# Altium PCB DIO_MCX.PCBDOC (part 3 of 3) (continued)
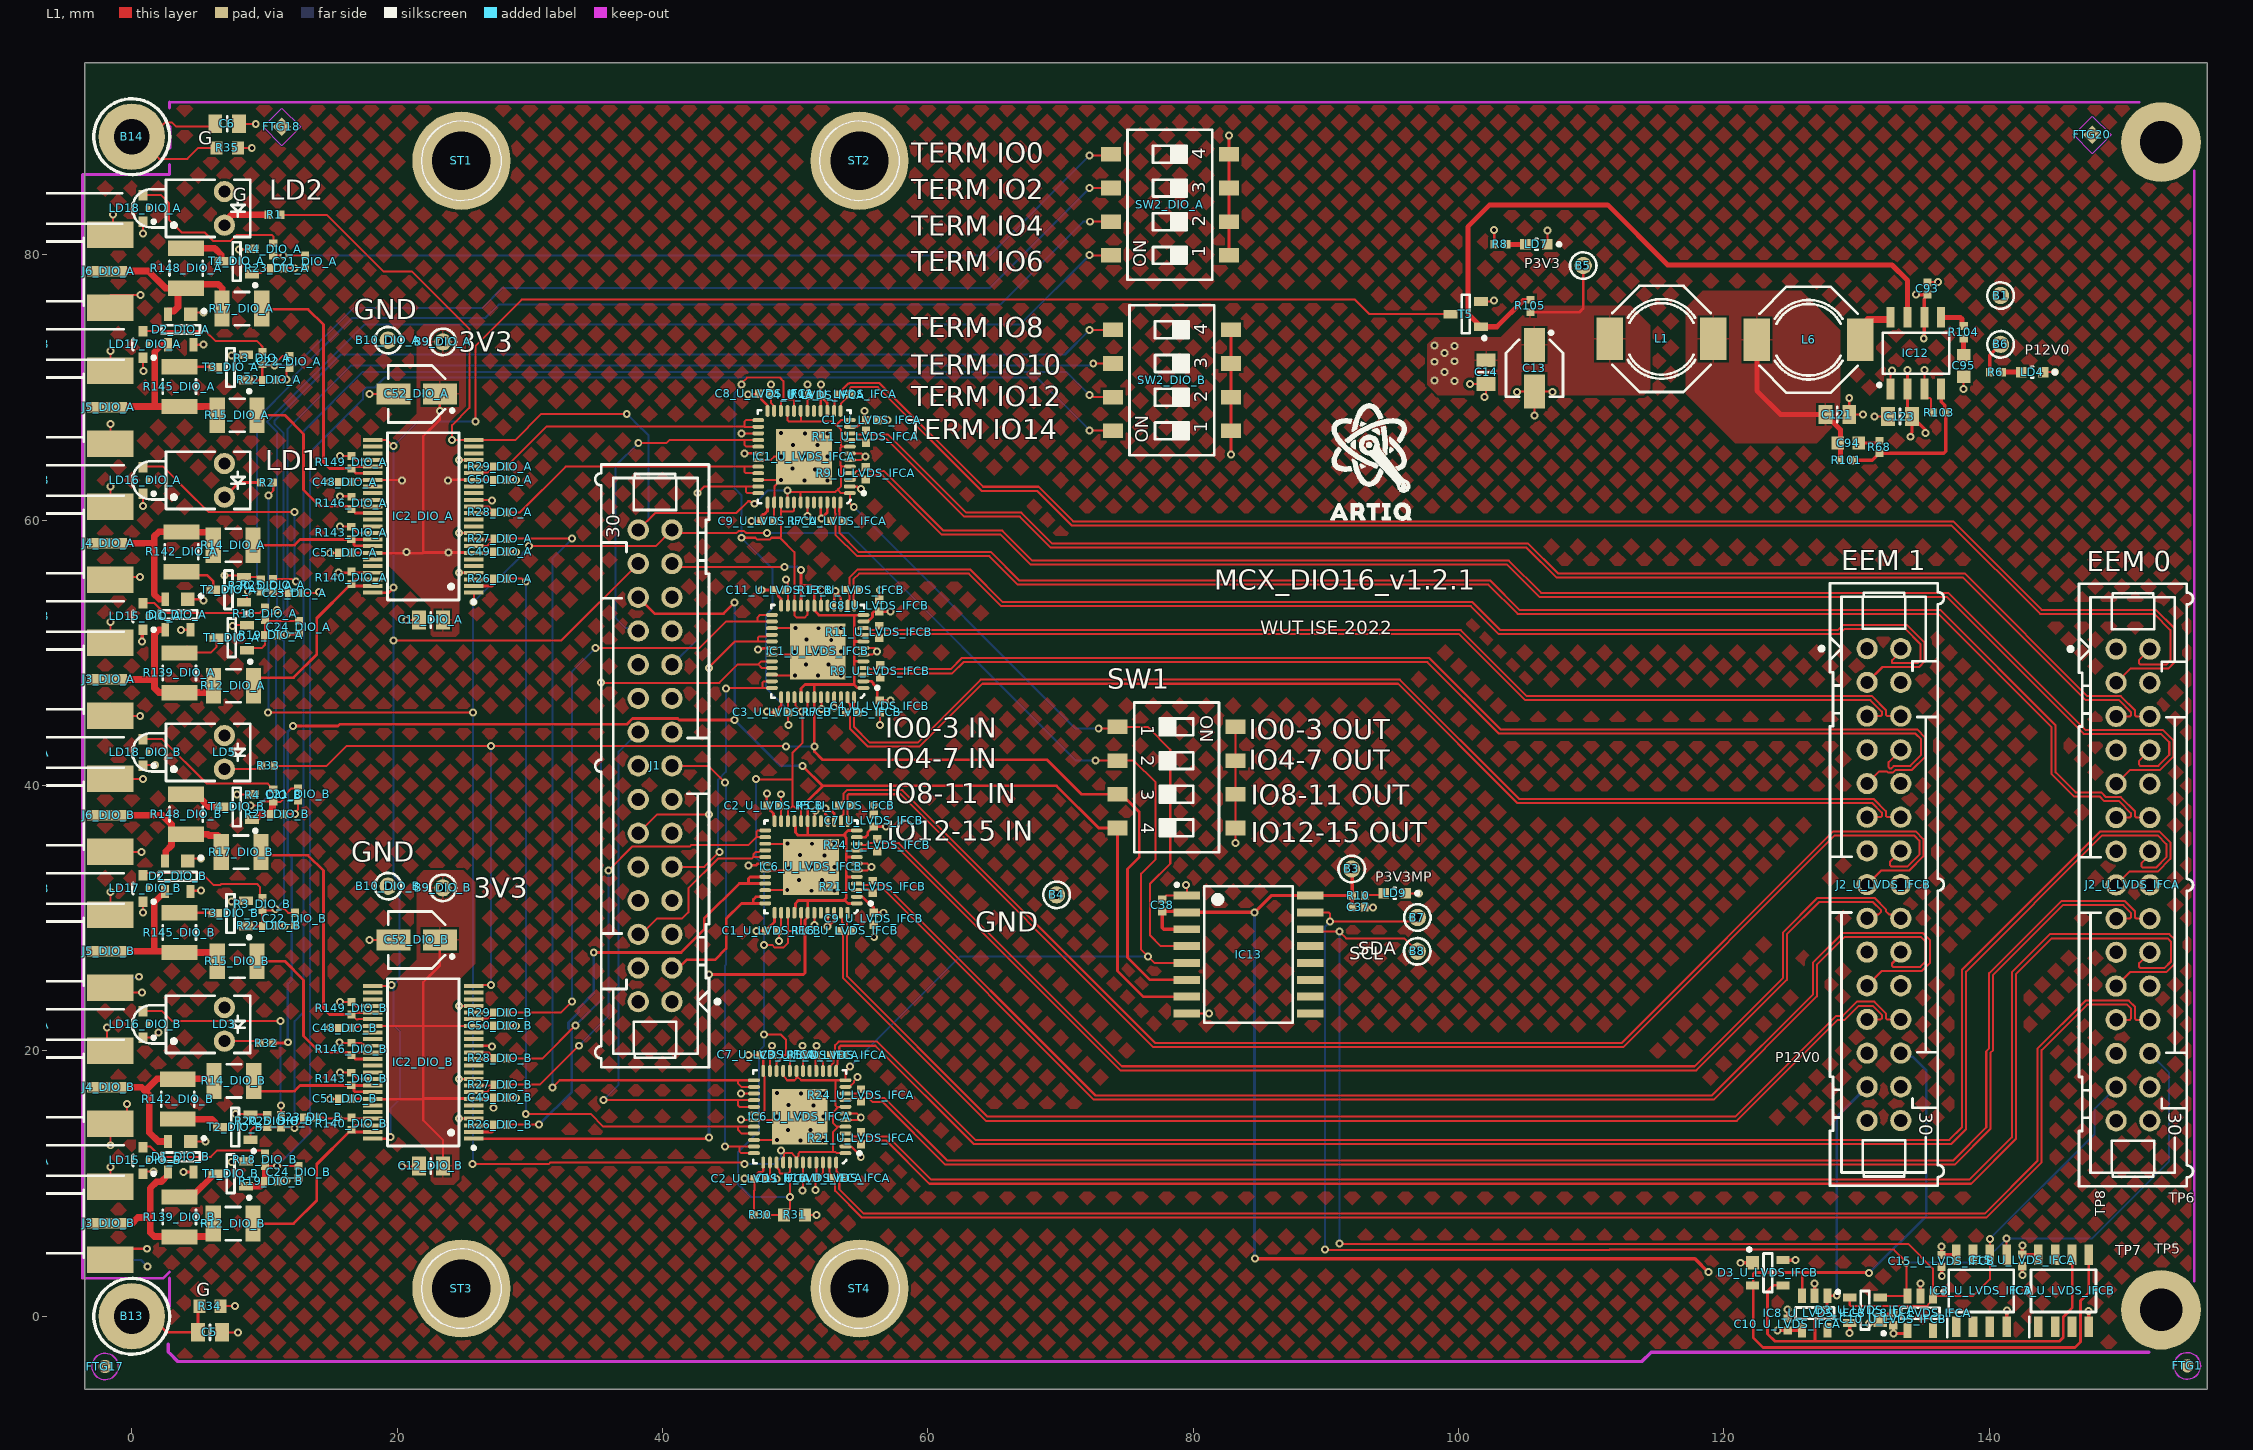
[diagram p0: L1 view]
## Nets (pads, with @x,y where several pads share a name; then routed paths per layer and width w, separated by ;. In a path a pad name is that pad's centre, name@x,y a point inside that pad or via, vN(x,y) a via of type N, cw(c..) or ccw(c..) an arc to the next point about the centre after c; other vN are vias at no path point) (continued)
NetIC2_DIO_B_29: IC2_DIO_B.29 IC2_DIO_B.30 R17_DIO_B.2 R149_DIO_B.2 | length 21.4
  L1 w0.152: R149_DIO_B.2@16.554,22.743 16.922,22.374 17.049,22.374 17.063,22.388 IC2_DIO_B.30@18.169,22.388
  L1 w0.203: R17_DIO_B.2@9.818,35.238 10.318,34.738 13.293,34.738 14.444,33.587 14.444,23.213 14.914,22.743 R149_DIO_B.2@16.554,22.743 16.7,22.888 IC2_DIO_B.29@18.169,22.888
NetIC2_DIO_B_35: IC2_DIO_B.35 IC2_DIO_B.36 R15_DIO_B.2 R146_DIO_B.2 | length 15.8
  L1 w0.203: R15_DIO_B.2@9.444,26.761 11.531,26.761 12.944,25.348 12.944,21.138 14.194,19.888 IC2_DIO_B.35@18.169,19.888 ; R146_DIO_B.2@16.554,19.668 16.574,19.668 16.854,19.388 IC2_DIO_B.36@18.169,19.388
NetIC2_DIO_B_40: IC2_DIO_B.40 IC2_DIO_B.41 R14_DIO_B.2 R143_DIO_B.2 | length 11.2
  L1 w0.203: R14_DIO_B.2@9.144,16.964 12.27,16.964 12.694,17.388 R143_DIO_B.2@16.594,17.388 ; R143_DIO_B.2@16.544,17.418 16.564,17.418 R143_DIO_B.2@16.594,17.388 ; IC2_DIO_B.41@18.169,16.888 18.13,16.927 16.804,16.927 16.752,16.978 16.752,17.23 R143_DIO_B.2@16.594,17.388 ; IC2_DIO_B.40@18.169,17.388 R143_DIO_B.2@16.594,17.388
NetIC2_DIO_B_46: IC2_DIO_B.46 IC2_DIO_B.47 R12_DIO_B.2 R140_DIO_B.2 | length 15.3
  L1 w0.203: R12_DIO_B.2@9.144,6.981 12.204,6.981 13.944,8.721 13.944,11.457 16.375,13.888 IC2_DIO_B.47@18.169,13.888 ; R140_DIO_B.2@16.554,14.047 16.574,14.047 16.762,14.235 16.762,14.255 16.895,14.388 IC2_DIO_B.46@18.169,14.388
NetIC12_4: IC12.4 R68.1 R101.1 R103.1 | length 12.1
  L1 w0.254: R101.1@129.714,64.513 131.184,64.513 R68.1@131.714,65.043 136.565,65.043 136.714,65.192 R103.1@136.714,68.113 136.632,68.195 136.632,68.655 136.374,68.913 IC12.4@136.374,69.888
NetIC12_5: IC12.5 R104.2 | length 2.2
  L1 w0.381: IC12.5@136.374,75.288 137.819,75.288 137.95,75.158 137.95,74.733 138.049,74.633 R104.2@138.069,74.633
NetIC12_8: IC12.8 L6.1 | length 3.6
  L1 w0.5: L6.1@130.282,73.597 130.282,74.561 130.844,75.122 132.514,75.122 132.564,75.172 IC12.8@132.564,75.288
NetLD1_1: LD1.1 R2.1 | length 3.2
  L1 w0.203: LD1.1@6.984,61.73 8.092,62.838 R2.1@9.724,62.838
NetLD2_1: LD2.1 R1.1 | length 3.9
  L1 w0.5: LD2.1@6.727,82.23 7.509,83.012 R1.1@10.288,83.012
NetLD3_1: LD3.1 R32.1 | length 2.7
  L1 w0.152: LD3.1@6.984,20.73 9.526,20.73 R32.1@9.662,20.594
NetLD4_2: LD4.2 R6.1 | length 1.4
  L1 w0.381: R6.1@140.971,71.153 LD4.2@142.419,71.153
NetLD5_1: LD5.1 R33.1 | length 2.9
  L1 w0.152: LD5.1@6.984,41.23 7.008,41.254 9.59,41.254 9.804,41.468 R33.1@9.804,41.488
NetLD7_2: LD7.2 R8.2 | length 1.4
  L1 w0.381: R8.2@103.626,80.788 LD7.2@105.044,80.788
NetLD9_2: LD9.2 R10.2 | length 1.5
  L1 w0.152: R10.2@92.914,31.762 94.258,31.762 LD9.2@94.369,31.873
NetR139_DIO_A_1: R139_DIO_A.1 T1_DIO_A.3 | length 3.3
  L1 w0.152: R139_DIO_A.1@4.182,50.487 4.457,50.212 4.673,50.212 4.868,50.017 5.965,50.017 6.377,50.429 T1_DIO_A.3@6.377,51.138
NetR139_DIO_B_1: R139_DIO_B.1 T1_DIO_B.3 | length 3.2
  L1 w0.5: R139_DIO_B.1@3.896,9.017 4.186,9.306 4.814,9.306 6.022,10.514 6.022,10.667 6.097,10.742 T1_DIO_B.3@6.297,10.742
NetR142_DIO_A_1: R142_DIO_A.1 T2_DIO_A.3 | length 3.6
  L1 w0.152: R142_DIO_A.1@3.499,55.864 R142_DIO_A.1@3.749,56.114
  L1 w0.203: R142_DIO_A.1@3.749,55.839 5.693,55.839 6.144,55.388 T2_DIO_A.3@6.144,54.757
NetR142_DIO_B_1: R142_DIO_B.1 T2_DIO_B.3 | length 3.4
  L1 w0.5: R142_DIO_B.1@3.46,14.86 6.028,14.86 T2_DIO_B.3@6.636,14.251
NetR145_DIO_A_1: R145_DIO_A.1 T3_DIO_A.3 | length 2.7
  L1 w0.203: R145_DIO_A.1@3.594,71.569 6.242,71.569 T3_DIO_A.3@6.294,71.517
NetR145_DIO_B_1: R145_DIO_B.1 T3_DIO_B.3 | length 2.7
  L1 w0.203: R145_DIO_B.1@3.594,30.419 6.242,30.419 T3_DIO_B.3@6.294,30.367
NetR148_DIO_A_1: R148_DIO_A.1 T4_DIO_A.3 | length 3.4
  L1 w0.5: R148_DIO_A.1@4.094,80.488 6.267,80.488 6.749,80.006 T4_DIO_A.3@6.749,79.502
NetR148_DIO_B_1: R148_DIO_B.1 T4_DIO_B.3 | length 3
  L1 w0.5: R148_DIO_B.1@4.094,39.338 4.869,39.338 5.819,38.388 T4_DIO_B.3@6.744,38.388
P3V3: B5.1 B9_DIO_A.1 B9_DIO_B.1 C1_U_LVDS_IFCA.2 C1_U_LVDS_IFCB.2 C2_U_LVDS_IFCA.2 C2_U_LVDS_IFCB.2 C3_U_LVDS_IFCA.2 C3_U_LVDS_IFCB.2 C4_U_LVDS_IFCA.2 C4_U_LVDS_IFCB.2 C7_U_LVDS_IFCA.2 C7_U_LVDS_IFCB.2 C8_U_LVDS_IFCA.2 C8_U_LVDS_IFCB.2 C9_U_LVDS_IFCA.2 C9_U_LVDS_IFCB.2 C11_U_LVDS_IFCA.2 C11_U_LVDS_IFCB.2 C12_DIO_A.2 C12_DIO_B.2 C13.1 C14.2 C48_DIO_A.2 C48_DIO_B.2 C49_DIO_A.2 C49_DIO_B.2 C50_DIO_A.2 C50_DIO_B.2 C51_DIO_A.2 C51_DIO_B.2 C52_DIO_A.1 C52_DIO_B.1 D1_DIO_A.4 D1_DIO_B.4 D2_DIO_A.4 D2_DIO_B.4 IC1_U_LVDS_IFCA.2 IC1_U_LVDS_IFCA.11 IC1_U_LVDS_IFCA.15 IC1_U_LVDS_IFCA.16 IC1_U_LVDS_IFCA.24 IC1_U_LVDS_IFCA.30 IC1_U_LVDS_IFCA.37 IC1_U_LVDS_IFCA.45 IC1_U_LVDS_IFCA.46 IC1_U_LVDS_IFCB.2 IC1_U_LVDS_IFCB.11 IC1_U_LVDS_IFCB.15 IC1_U_LVDS_IFCB.16 IC1_U_LVDS_IFCB.24 IC1_U_LVDS_IFCB.30 IC1_U_LVDS_IFCB.37 IC1_U_LVDS_IFCB.45 IC1_U_LVDS_IFCB.46 IC2_DIO_A.7 IC2_DIO_A.18 IC2_DIO_A.31 IC2_DIO_A.42 IC2_DIO_B.7 IC2_DIO_B.18 IC2_DIO_B.31 IC2_DIO_B.42 IC6_U_LVDS_IFCA.2 IC6_U_LVDS_IFCA.11 IC6_U_LVDS_IFCA.15 IC6_U_LVDS_IFCA.16 IC6_U_LVDS_IFCA.24 IC6_U_LVDS_IFCA.30 IC6_U_LVDS_IFCA.37 IC6_U_LVDS_IFCA.45 IC6_U_LVDS_IFCA.46 IC6_U_LVDS_IFCB.2 IC6_U_LVDS_IFCB.11 IC6_U_LVDS_IFCB.15 IC6_U_LVDS_IFCB.16 IC6_U_LVDS_IFCB.24 IC6_U_LVDS_IFCB.30 IC6_U_LVDS_IFCB.37 IC6_U_LVDS_IFCB.45 IC6_U_LVDS_IFCB.46 J1.1 J1.25 L1.2 LD1.2 LD2.2 LD3.2 LD5.2 R8.1 R30.2 R105.2 SW2_DIO_A.1 SW2_DIO_A.2 SW2_DIO_A.3 SW2_DIO_A.4 SW2_DIO_B.1 SW2_DIO_B.2 SW2_DIO_B.3 SW2_DIO_B.4 | length 169.7
  L1 w0.152: C48_DIO_B.2@16.544,21.719 16.614,21.789 17.044,21.789 17.143,21.888 IC2_DIO_B.31@18.169,21.888 21.969,21.888 ; C48_DIO_A.2@16.544,62.869 16.713,63.038 IC2_DIO_A.31@18.169,63.038 20.326,63.038 v1(20.369,62.995) ; 21.94,16.36 21.969,16.388 ; 21.94,57.51 21.969,57.538 21.969,66.338 22.469,66.838 ; 21.969,21.845 21.969,16.388 ; 22.469,25.688 21.969,25.188 21.969,21.888 ; C12_DIO_B.2@23.444,11.328 23.444,13.288 21.969,14.763 21.969,16.388 ; C50_DIO_B.2@27.319,21.888 IC2_DIO_B.18@25.769,21.888 21.969,21.888 ; v1(46.194,10.378) 46.22,10.352 C2_U_LVDS_IFCA.2@46.944,10.352 ; v1(46.484,19.699) C7_U_LVDS_IFCA.2@47.394,19.699 47.594,19.499 IC6_U_LVDS_IFCA.24@47.594,18.488 47.594,18.148 47.694,18.048 47.694,15.477 47.505,15.288 IC6_U_LVDS_IFCA.30@46.894,15.288 ; R30.2@46.895,7.638 46.895,9.439 46.944,9.488 C2_U_LVDS_IFCA.2@46.944,10.352 ; IC6_U_LVDS_IFCA.37@47.594,11.588 47.594,10.954 47.505,10.865 47.254,10.865 47.162,10.773 47.162,10.57 C2_U_LVDS_IFCA.2@46.944,10.352 ; v1(51.544,9.513) C11_U_LVDS_IFCA.2@51.544,10.413 C11_U_LVDS_IFCA.2@51.594,10.463 ; IC6_U_LVDS_IFCA.45@51.594,11.888 IC6_U_LVDS_IFCA.45@51.594,11.588 C11_U_LVDS_IFCA.2@51.594,10.463 ; IC6_U_LVDS_IFCA.16@51.594,18.488 51.544,18.538 C3_U_LVDS_IFCA.2@51.544,19.688 ; v1(51.619,20.388) 51.544,20.313 C3_U_LVDS_IFCA.2@51.544,19.688 ; IC6_U_LVDS_IFCA.46@52.094,11.588 52.094,10.778 52.005,10.688 51.819,10.688 C11_U_LVDS_IFCA.2@51.594,10.463 ; IC6_U_LVDS_IFCA.15@52.094,18.488 52.094,19.148 52.005,19.237 51.995,19.237 C3_U_LVDS_IFCA.2@51.544,19.688 ; IC6_U_LVDS_IFCA.2@53.368,12.816 53.766,12.816 IC6_U_LVDS_IFCA.2@53.794,12.788 53.822,12.76 54.252,12.76 54.944,12.068 v1(54.944,11.988) ; IC6_U_LVDS_IFCA.11@53.794,17.288 54.094,17.288 54.447,17.642 54.447,17.735 54.694,17.982 v1(54.694,18.048)
  L1 w0.203: v1(3.694,51.738) 3.696,51.74 D1_DIO_A.4@4.422,51.74 ; v1(3.896,10.867) D1_DIO_B.4@4.644,10.867 ; D2_DIO_B.4@4.41,32.013 4.478,32.082 v1(5.222,32.082) ; D2_DIO_A.4@4.644,73.217 5.407,73.217 v1(5.419,73.229) ; C51_DIO_B.2@16.534,16.388 IC2_DIO_B.42@18.169,16.388 18.198,16.36 21.94,16.36 ; C51_DIO_A.2@16.534,57.538 IC2_DIO_A.42@18.169,57.538 18.198,57.51 21.94,57.51 ; 21.969,16.388 21.998,16.417 25.74,16.417 IC2_DIO_B.7@25.769,16.388 27.243,16.388 C49_DIO_B.2@27.319,16.464 27.319,15.764 v1(27.269,15.714) ; 21.969,57.538 21.998,57.567 v1(23.869,57.567) 25.74,57.567 IC2_DIO_A.7@25.769,57.538 27.243,57.538 C49_DIO_A.2@27.319,57.614 ; 22.469,25.688 23.219,26.438 C52_DIO_B.1@23.219,28.361 ; 22.469,66.838 23.219,67.588 v1(23.219,68.244) C52_DIO_A.1@23.219,69.511 C52_DIO_A.1@23.369,69.661 ; v1(23.847,62.995) 23.89,63.038 IC2_DIO_A.18@25.769,63.038 C50_DIO_A.2@27.319,63.038 ; v1(46.194,65.038) IC1_U_LVDS_IFCA.30@47.219,65.038 ; v1(46.444,69.488) 47.227,69.488 C8_U_LVDS_IFCA.2@47.269,69.53 47.45,69.349 47.45,69.11 47.919,68.642 IC1_U_LVDS_IFCA.24@47.919,68.238 ; v1(46.484,33.988) 47.051,33.988 47.158,34.095 47.725,34.095 IC6_U_LVDS_IFCB.30@47.744,34.113 ; v1(46.694,59.937) C9_U_LVDS_IFCA.2@47.469,59.937 47.469,60.328 47.588,60.447 47.69,60.447 47.919,60.676 IC1_U_LVDS_IFCA.37@47.919,61.338 ; v1(47.082,29.053) 47.779,29.053 C1_U_LVDS_IFCB.2@47.794,29.038 48.002,29.247 48.002,29.29 48.444,29.731 IC6_U_LVDS_IFCB.37@48.444,30.413 ; v1(47.194,50.238) 47.27,50.314 47.537,50.314 47.582,50.358 IC1_U_LVDS_IFCB.30@48.244,50.358 ; v1(47.469,54.725) 47.475,54.731 C11_U_LVDS_IFCB.2@48.369,54.731 48.73,54.37 48.73,54.265 48.925,54.07 48.925,53.577 IC1_U_LVDS_IFCB.24@48.944,53.558 ; v1(47.869,39.393) 47.869,38.538 C2_U_LVDS_IFCB.2@47.919,38.488 48.127,38.28 48.127,38.123 48.36,37.891 48.36,37.724 48.444,37.639 IC6_U_LVDS_IFCB.24@48.444,37.313 ; v1(47.869,45.576) 47.932,45.513 C3_U_LVDS_IFCB.2@48.594,45.513 48.802,45.722 48.802,45.877 48.944,46.018 IC1_U_LVDS_IFCB.37@48.944,46.658 ; IC1_U_LVDS_IFCA.45@51.919,61.338 51.919,60.188 v1(51.969,60.138) 52.419,60.588 IC1_U_LVDS_IFCA.46@52.419,61.338 ; IC1_U_LVDS_IFCA.16@51.919,68.238 51.919,70.213 v1(51.944,70.238) ; C4_U_LVDS_IFCA.2@51.969,69.418 52.177,69.21 52.177,69.086 52.296,68.967 52.3,68.967 52.419,68.848 IC1_U_LVDS_IFCA.15@52.419,68.238 ; IC6_U_LVDS_IFCB.45@52.444,30.413 v1(52.444,29.361) 52.479,29.361 52.944,29.826 IC6_U_LVDS_IFCB.46@52.944,30.413 ; IC6_U_LVDS_IFCB.16@52.444,37.313 52.444,37.639 52.396,37.688 52.396,37.712 52.278,37.829 v1(52.278,38.28) 52.332,38.28 52.595,38.017 52.825,38.017 52.944,37.898 IC6_U_LVDS_IFCB.15@52.944,37.313 ; IC1_U_LVDS_IFCB.45@52.944,46.508 v1(52.944,45.882) 53.255,45.882 53.425,46.053 53.425,46.64 IC1_U_LVDS_IFCB.46@53.444,46.658 ; IC1_U_LVDS_IFCB.16@52.944,53.558 52.944,54.339 52.951,54.346 52.951,54.58 v1(53.027,54.656) 53.25,54.433 53.25,54.326 53.444,54.133 IC1_U_LVDS_IFCB.15@53.444,53.558 ; IC1_U_LVDS_IFCA.2@54.119,62.538 54.138,62.52 54.668,62.52 54.837,62.351 v1(54.944,62.351) ; IC1_U_LVDS_IFCA.11@54.119,67.038 54.671,67.038 54.805,67.172 54.805,67.196 54.938,67.33 55.121,67.33 C1_U_LVDS_IFCA.2@55.329,67.538 55.226,67.641 v1(55.226,68.238) ; IC6_U_LVDS_IFCB.11@54.644,36.113 55.306,36.113 55.468,36.274 55.468,36.462 C7_U_LVDS_IFCB.2@55.919,36.913 56.842,36.913 v1(56.844,36.911) ; IC6_U_LVDS_IFCB.2@54.694,31.613 IC6_U_LVDS_IFCB.2@54.644,31.613 54.663,31.595 55.077,31.595 55.749,30.923 55.8,30.923 55.919,30.804 C9_U_LVDS_IFCB.2@55.919,30.413 v1(56.654,30.413) ; IC1_U_LVDS_IFCB.2@55.144,47.858 55.761,47.858 55.88,47.739 55.88,47.672 56.194,47.358 56.194,46.598 C4_U_LVDS_IFCB.2@56.379,46.413 v1(57.194,46.413) ; IC1_U_LVDS_IFCB.11@55.144,52.358 55.47,52.358 55.592,52.48 55.601,52.48 55.823,52.701 55.823,52.989 55.942,53.108 C8_U_LVDS_IFCB.2@56.344,53.108 v1(57.194,53.108) ; SW2_DIO_A.1@82.694,79.953 v1(82.694,88.988) ; v1(82.844,64.962) SW2_DIO_B.4@82.844,74.348 ; v1(102.656,81.858) 102.686,81.828 R8.1@102.686,80.788 ; R105.2@105.419,75.681 109.132,75.681 109.394,75.942 B5.1@109.394,79.188
  other v1: 20.694,57.614 99.694,70.488 98.194,70.538 98.944,71.153 98.194,71.94 99.694,71.978 98.944,72.603 99.694,73.128 98.194,73.163
P3V3_MP: B3.1 C10_U_LVDS_IFCA.2 C10_U_LVDS_IFCB.2 C15_U_LVDS_IFCA.2 C15_U_LVDS_IFCB.2 C37.2 C38.2 D3_U_LVDS_IFCA.4 D3_U_LVDS_IFCB.4 IC3_U_LVDS_IFCA.8 IC3_U_LVDS_IFCB.8 IC8_U_LVDS_IFCA.4 IC8_U_LVDS_IFCB.4 IC13.2 IC13.3 IC13.16 J2_U_LVDS_IFCA.30 J2_U_LVDS_IFCB.30 R10.1 | length 90.4
  L1 w0.254: IC13.3@79.519,29.168 77.789,29.168 77.669,29.288 C38.2@77.669,30.513 79.444,30.513 IC13.2@79.519,30.438 v1(84.62,30.438) 85.89,31.708 IC13.16@88.819,31.708 R10.1@91.97,31.708 ; v1(84.65,4.34) 117.819,4.34 v1(118.823,3.335) ; B3.1@91.944,33.713 91.974,33.683 91.974,30.85 C37.2@92.006,30.818 ; v1(124.054,-1.067) v1(124.054,-1.067) 124.805,-1.065 C10_U_LVDS_IFCA.2@124.807,-1.063 125.889,-1.063 IC8_U_LVDS_IFCB.4@125.89,-1.065 ; D3_U_LVDS_IFCB.4@124.465,4.223 D3_U_LVDS_IFCB.4@124.456,4.232 v1(125.397,4.232) ; v1(129.478,-1.246) 129.482,-1.242 D3_U_LVDS_IFCA.4@129.482,-0.747 ; C10_U_LVDS_IFCB.2@132.766,-0.679 132.781,-0.694 132.781,-1.287 v1(132.796,-1.302) 133.675,-1.302 133.848,-1.129 IC8_U_LVDS_IFCA.4@133.848,-1.071 ; v1(136.398,5.273) 136.402,5.27 C15_U_LVDS_IFCB.2@136.402,4.613 136.418,4.629 IC3_U_LVDS_IFCA.8@137.497,4.629 ; v1(142.485,5.325) 142.491,5.319 C15_U_LVDS_IFCA.2@142.491,4.665 142.527,4.629 IC3_U_LVDS_IFCB.8@143.69,4.629
  L4 w0.254: v1(84.62,30.438) 84.62,4.369 v1(84.65,4.34)
P12V0: B6.1 C93.2 C123.2 IC12.2 IC12.6 J2_U_LVDS_IFCA.28 J2_U_LVDS_IFCA.29 J2_U_LVDS_IFCB.28 J2_U_LVDS_IFCB.29 R6.2 | length 13.6
  L1 w0.254: v1(133.834,71.323) IC12.2@133.834,69.888 133.834,68.148 C123.2@134.169,67.813 ; v1(134.047,66.288) 134.113,66.354 134.113,66.554 134.169,66.61 C123.2@134.169,67.813 ; v1(134.469,77.01) 134.476,77.003 C93.2@135.334,77.003 135.151,76.82 135.151,76.718 135.104,76.671 IC12.6@135.104,75.288 135.104,73.748 v1(135.059,73.703) ; v1(135.207,66.563) 135.141,66.629 135.141,66.841 C123.2@134.169,67.813 ; R6.2@140.031,71.153 140.031,72.433 B6.1@140.851,73.253
PG: IC12.7 R105.1 T5.1 | length 51.5
  L1 w0.381: R105.1@105.419,76.621 105.341,76.542 104.851,76.542 102.887,74.578 T5.1@101.694,74.578 100.694,75.578 100.694,82.112 102.345,83.763 111.237,83.763 115.762,79.238 132.674,79.238 133.834,78.078 IC12.7@133.834,75.288
TERM_IOA_DIO_A: C24_DIO_A.2 R18_DIO_A.1 R19_DIO_A.2 SW2_DIO_A.8 T1_DIO_A.1 | length 90.4
  L1 w0.152: T1_DIO_A.1@8.677,50.188 8.847,50.358 9.804,50.358 10.044,50.598 R18_DIO_A.1@10.044,52.478 ; v1@10.744,53.037 10.655,52.948 10.514,52.948 R18_DIO_A.1@10.044,52.478 ; v1@10.823,53.238 v1(10.944,53.238) ; C24_DIO_A.2@12.594,52.396 10.125,52.396 R18_DIO_A.1@10.044,52.478 ; v1(72.194,79.988) 72.229,79.953 SW2_DIO_A.8@73.794,79.953
  L4 w0.152: v1(10.944,53.238) 10.944,66.661 10.194,67.411 17.546,74.763 66.969,74.763 v1(72.194,79.988)
TERM_IOA_DIO_B: C24_DIO_B.2 R18_DIO_B.1 R19_DIO_B.2 SW2_DIO_B.8 T1_DIO_B.1 | length 125
  L1 w0.152: R18_DIO_B.1@10.044,11.328 v1(10.956,11.328) 10.967,11.317 C24_DIO_B.2@12.575,11.317 ; v1(72.194,66.772) 73.901,66.772 SW2_DIO_B.8@73.944,66.728
  L1 w0.5: T1_DIO_B.1@8.597,9.792 9.662,9.792 R19_DIO_B.2@10.049,10.179 10.049,11.323 R18_DIO_B.1@10.044,11.328
  L4 w0.152: v1(10.956,11.328) 13.444,13.816 13.444,65.138 17.416,69.11 17.416,69.72 17.711,70.015 18.32,70.015 19.047,70.741 68.224,70.741 v1(72.194,66.772)
TERM_IOB_DIO_A: C23_DIO_A.2 R20_DIO_A.2 R25_DIO_A.1 SW2_DIO_A.7 T2_DIO_A.1 | length 88.4
  L1 w0.152: T2_DIO_A.1@8.444,53.807 8.677,54.04 8.677,54.538 v1(8.749,54.61) 8.821,54.683 R25_DIO_A.1@10.709,54.683 ; R25_DIO_A.1@10.764,54.737 R25_DIO_A.1@10.709,54.683 ; C23_DIO_A.2@11.846,54.502 10.781,54.502 R25_DIO_A.1@10.655,54.628 R25_DIO_A.1@10.709,54.683 ; v1(72.229,82.493) SW2_DIO_A.7@73.794,82.493
  L4 w0.152: v1(8.749,54.61) 9.444,55.305 9.444,67.661 12.171,70.389 12.171,70.796 16.613,75.238 26.653,75.238 27.653,76.238 65.444,76.238 71.699,82.493 v1(72.229,82.493)
TERM_IOB_DIO_B: C23_DIO_B.2 R20_DIO_B.2 R25_DIO_B.1 SW2_DIO_B.7 T2_DIO_B.1 | length 121.6
  L1 w0.152: T2_DIO_B.1@8.936,13.301 8.936,13.979 9.185,14.228 R25_DIO_B.1@11.254,14.228 12.245,14.228 v1(12.27,14.203) 12.994,14.927 C23_DIO_B.2@12.994,14.987 ; v1(72.194,69.418) 72.315,69.418 72.465,69.268 SW2_DIO_B.7@73.944,69.268
  L4 w0.152: v1(12.27,14.203) 12.27,22.236 12.944,22.909 12.944,66.711 17.406,71.173 70.439,71.173 v1(72.194,69.418)
TERM_IOC_DIO_A: C22_DIO_A.2 R3_DIO_A.1 R22_DIO_A.2 SW2_DIO_A.6 T3_DIO_A.1 | length 73.5
  L1 w0.152: R3_DIO_A.1@9.844,71.749 9.932,71.661 v1(10.744,71.661) 10.744,71.755 11.369,72.38 C22_DIO_A.2@11.879,72.38 ; v1(72.194,85.033) SW2_DIO_A.6@73.794,85.033
  L1 w0.203: T3_DIO_A.1@8.594,70.567 R22_DIO_A.2@9.874,70.567 9.844,70.597 R3_DIO_A.1@9.844,71.749
  L4 w0.152: v1(10.744,71.661) 12.367,71.661 16.694,75.988 26.403,75.988 27.903,77.488 64.649,77.488 v1(72.194,85.033)
TERM_IOC_DIO_B: C22_DIO_B.2 R3_DIO_B.1 R22_DIO_B.2 SW2_DIO_B.6 T3_DIO_B.1 | length 106.1
  L1 w0.152: R3_DIO_B.1@9.844,30.599 10.754,30.599 v1(10.836,30.681) 11.514,30.681 11.786,30.41 C22_DIO_B.2@12.296,30.41 ; v1(72.465,71.808) SW2_DIO_B.6@73.944,71.808
  L1 w0.203: T3_DIO_B.1@8.594,29.417 R22_DIO_B.2@9.874,29.417 9.844,29.447 R3_DIO_B.1@9.844,30.599
  L4 w0.152: v1(10.836,30.681) 11.462,31.307 11.462,50.886 11.165,51.184 11.165,52.352 11.727,52.914 11.727,66.846 16.542,71.661 72.197,71.661 72.344,71.808 v1(72.465,71.808)
TERM_IOD_DIO_A: C21_DIO_A.2 R4_DIO_A.1 R23_DIO_A.2 SW2_DIO_A.5 T4_DIO_A.1 | length 70.6
  L1 w0.152: T4_DIO_A.1@9.049,78.552 9.115,78.618 9.714,78.618 10.084,78.988 R23_DIO_A.2@10.499,78.988 10.668,79.157 R4_DIO_A.1@10.668,79.938 v1(11.439,79.938) C21_DIO_A.2@13.066,79.938 ; v1(72.194,87.488) 73.709,87.488 SW2_DIO_A.5@73.794,87.573
  L4 w0.152: v1(11.439,79.938) 64.644,79.938 v1(72.194,87.488)
TERM_IOD_DIO_B: C21_DIO_B.2 R4_DIO_B.1 R23_DIO_B.2 SW2_DIO_B.5 T4_DIO_B.1 | length 103.4
  L1 w0.152: v1(8.944,38.488) 9.544,38.488 9.844,38.788 10.648,38.788 R4_DIO_B.1@10.668,38.788 ; R4_DIO_B.1@10.608,38.748 11.178,38.748 11.602,39.172 11.602,39.354 12.026,39.778 C21_DIO_B.2@12.536,39.778 ; v1(72.194,74.348) SW2_DIO_B.5@73.944,74.348
  L1 w0.5: T4_DIO_B.1@9.344,37.438 9.744,37.838 R23_DIO_B.2@10.499,37.838 10.539,37.878 10.539,38.122 10.608,38.191 10.608,38.748 R4_DIO_B.1@10.648,38.788
  L4 w0.152: v1(8.944,38.488) 9.544,38.488 10.885,39.83 10.885,52.468 11.447,53.03 11.447,66.553 10.744,67.257 10.744,67.473 15.759,72.488 70.334,72.488 v1(72.194,74.348)
pads on no net: FTG1.FTG2 FTG2.FTG2 FTG17.FTG2 FTG18.1 FTG19.1 FTG20.1 IC1_U_LVDS_IFCA.17 IC1_U_LVDS_IFCA.44 IC1_U_LVDS_IFCB.17 IC1_U_LVDS_IFCB.44 IC2_DIO_A.5 IC2_DIO_A.6 IC2_DIO_A.11 IC2_DIO_A.12 IC2_DIO_A.16 IC2_DIO_A.17 IC2_DIO_A.22 IC2_DIO_A.23 IC2_DIO_A.26 IC2_DIO_A.27 IC2_DIO_A.32 IC2_DIO_A.33 IC2_DIO_A.37 IC2_DIO_A.38 IC2_DIO_A.43 IC2_DIO_A.44 IC2_DIO_B.5 IC2_DIO_B.6 IC2_DIO_B.11 IC2_DIO_B.12 IC2_DIO_B.16 IC2_DIO_B.17 IC2_DIO_B.22 IC2_DIO_B.23 IC2_DIO_B.26 IC2_DIO_B.27 IC2_DIO_B.32 IC2_DIO_B.33 IC2_DIO_B.37 IC2_DIO_B.38 IC2_DIO_B.43 IC2_DIO_B.44 IC3_U_LVDS_IFCA.1 IC3_U_LVDS_IFCA.2 IC3_U_LVDS_IFCA.3 IC3_U_LVDS_IFCA.7 IC3_U_LVDS_IFCB.1 IC3_U_LVDS_IFCB.2 IC3_U_LVDS_IFCB.3 IC3_U_LVDS_IFCB.7 IC6_U_LVDS_IFCA.17 IC6_U_LVDS_IFCA.44 IC6_U_LVDS_IFCB.17 IC6_U_LVDS_IFCB.44 IC8_U_LVDS_IFCA.5 IC8_U_LVDS_IFCB.5 IC13.9 IC13.10 IC13.11 IC13.12 IC13.13 LD15_DIO_A.3 LD15_DIO_B.3 LD16_DIO_A.3 LD16_DIO_B.3 LD17_DIO_A.3 LD17_DIO_B.3 LD18_DIO_A.3 LD18_DIO_B.3 ST1.1 ST2.1 ST3.1 ST4.1

## Polygon pours and split planes (outlines as drawn)
no net on L1 "NONET_L-01_P-001" (solid, pour order 8): 2.783,86.05 2.783,91.479 155.444,91.479 155.444,-3.432 2.849,-3.432 2.779,2.875 -3.046,2.875 -3.046,86.05
P3V3 on L1 "NONET_L-01_P-001" (solid, remove dead copper, pour order 6): 98.194,73.798 103.186,73.798 105.538,76.151 112.971,76.151 114.444,74.678 114.444,69.888 113.969,69.413 98.444,69.413 97.65,70.208 97.65,73.254
NetC94_2 on L1 "NONET_L-01_P-001" (solid, remove dead copper, pour order 4): 117.14,76.028 117.14,69.534 120.86,65.813 126.994,65.813 128.774,67.593 128.774,74.327 125.823,77.278 118.39,77.278
P3V3 on L1 "NONET_L-01_P-001" (solid, remove dead copper, pour order 2): 22.544,51.379 22.544,53.413 19.269,56.688 19.269,65.811 21.469,68.011 21.469,74.209 22.023,74.763 24.994,74.763 25.894,73.863 25.894,67.736 24.669,66.511 24.669,51.479 24.269,51.079 22.844,51.079
P3V3 on L1 "NONET_L-01_P-001" (solid, remove dead copper, pour order 0): 22.544,10.229 22.544,12.263 19.269,15.538 19.269,24.661 21.469,26.861 21.469,33.059 22.023,33.613 24.994,33.613 25.894,32.713 25.894,26.586 24.669,25.361 24.669,10.329 24.269,9.929 22.844,9.929
no net on L4 "NONET_L-01_P-001" (solid, pour order 10): 2.824,91.456 155.694,91.456 155.694,-3.385 2.942,-3.385 2.942,2.953 -3.046,2.953 -3.046,85.587 2.824,85.587
P3V3 on P3 (split plane): 155.928,66.648 143.266,79.31 143.233,79.332 143.194,79.34 130.494,79.34 130.455,79.332 130.422,79.31 128.122,77.01 128.1,76.977 128.092,76.938 128.092,13.597 128.069,13.593 128.036,13.57 109.641,-4.824 109.619,-4.857 109.611,-4.896 109.611,-5.001 -3.046,-5.001 -3.046,2.113 -3.046,75.513 -3.046,86.488 -3.046,93.978 155.928,93.978
P3V3_MP on P3 (split plane): 155.928,-5.001 109.815,-5.001 109.815,-4.938 128.15,13.396 128.152,13.396 129.328,12.22 129.361,12.198 129.4,12.191 129.721,12.191 129.76,12.198 129.793,12.22 133.879,16.307 143.212,16.307 147.603,11.916 147.636,11.894 147.675,11.886 148.149,11.886 148.188,11.894 148.221,11.916 155.928,19.623
P12V0 on P3 (split plane): 155.928,66.36 155.928,19.912 148.106,12.09 147.717,12.09 143.327,16.481 143.294,16.503 143.255,16.51 133.836,16.51 133.797,16.503 133.764,16.481 129.678,12.395 129.442,12.395 128.296,13.541 128.296,76.896 130.536,79.136 143.152,79.136
GND on P2 (split plane): 155.928,-5.001 -3.046,-5.001 -3.046,2.113 -3.046,75.513 -3.046,86.488 -3.046,93.978 155.928,93.978

## Keep-outs
L1:
  lines w0.254: 2.746,-2.114 2.746,-2.696 2.848,-2.797 ; 2.848,0.757 2.848,2.87 ; 2.848,86.05 2.848,86.79 ; 2.848,91.079 2.848,91.491 ; 2.873,88.056 2.873,89.657
L4:
  lines w0.254: 2.848,-2.797 2.848,2.87 ; 2.848,86.05 2.848,91.491
Keep-Out Layer:
  drawing of 8328 lines, arcs and shapes, not listed

## Other copper
P3 (plane layer: these items are gaps in the copper):
  lines w0.2: 128.194,13.498 128.108,13.498 109.713,-4.896 109.713,-5.543 109.747,-5.509 156.431,-5.509 156.397,-5.475 156.397,20.236 ; 128.194,13.498 129.4,12.293 129.721,12.293 133.836,16.409 143.255,16.409 147.675,11.988 148.149,11.988 156.397,20.236 ; 128.194,13.498 128.194,76.938 130.494,79.238 143.194,79.238 156.397,66.036 156.397,20.236

## Silkscreen, mask and mechanical layers (free items; w line width, h text height)
Top Overlay:
  drawing of 1239 lines, arcs and shapes, not listed
  text "G" at 5.007,88.31 h1.02
  text "TERM IO0" at 58.743,86.938 h1.5
  text "TERM IO2" at 58.743,84.188 h1.5
  text "G" at 7.598,84.038 h1.02
  text "TERM IO4" at 58.743,81.438 h1.5
  text "P3V3" at 104.944,78.981 h0.76
  text "TERM IO6" at 58.743,78.768 h1.5
  text "GND" at 16.713,75.138 h1.5
  text "TERM IO8" at 58.743,73.793 h1.5
  text "3V3" at 24.646,72.689 h1.5
  text "P12V0" at 142.669,72.463 h0.76
  text "TERM IO10" at 58.743,70.966 h1.5
  text "TERM IO12" at 58.743,68.578 h1.5
  text "TERM IO14" at 58.444,66.093 h1.5
  text "EEM 1" at 128.857,56.241 h1.52
  text "EEM 0" at 147.344,56.141 h1.52
  text "MCX_DIO16_v1.2.1" at 81.594,54.753 h1.5
  text "WUT ISE 2022" at 85.069,51.413 h1.02
  text "IO0-3 IN" at 56.783,43.603 h1.5
  text "IO0-3 OUT" at 84.194,43.488 h1.5
  text "IO4-7 IN" at 56.783,41.31 h1.5
  text "IO4-7 OUT" at 84.194,41.195 h1.5
  text "IO8-11 IN" at 56.908,38.665 h1.5
  text "IO8-11 OUT" at 84.319,38.55 h1.5
  text "IO12-15 IN" at 56.908,35.845 h1.5
  text "IO12-15 OUT" at 84.319,35.73 h1.5
  text "GND" at 16.534,34.238 h1.5
  text "P3V3MP" at 93.719,32.763 h0.76
  text "3V3" at 25.765,31.54 h1.5
  text "GND" at 63.575,28.963 h1.5
  text "SDA" at 92.444,27.263 h1
  text "SCL" at 91.744,26.863 h1
  text "P12V0" at 123.868,19.163 h0.76
  text "TP6" at 153.524,8.541 h0.76
  text "TP8" at 148.726,7.543 h0.76 r90
  text "TP5" at 152.427,4.727 h0.76
  text "TP7" at 149.483,4.603 h0.76
  text "G" at 4.844,1.507 h1.02
Bottom Overlay:
  drawing of 1237 lines, arcs and shapes, not listed
  text "MCX_DIO16_v1.2.1" at 121.194,59.738 h1.5
Bottom Paste:
  drawing of 164 lines, arcs and shapes, not listed
Mechanical 1:
  drawing of 304 lines, arcs and shapes, not listed
  text "Layer" at 22.212,138.163 h1.52
  text "Name" at 32.624,138.163 h1.52
  text "Material" at 56.24,138.163 h1.52
  text "Thickness" at 78.078,138.163 h1.52
  text "Constant" at 94.583,138.163 h1.52
  text "Board Layer Stack" at 109.058,138.163 h1.52
  text "Top Overlay" at 32.624,135.115 h1.52
  text "Top Solder" at 32.624,132.067 h1.52
  text "Solder Resist" at 56.24,132.067 h1.52
  text "1,34mil" at 78.078,132.067 h1.52
  text "3.5" at 94.583,132.067 h1.52
  text "1" at 22.212,129.019 h1.52
  text "L1" at 32.624,129.019 h1.52
  text "1,38mil" at 78.078,129.019 h1.52
  text "Dielectric 2" at 32.624,125.971 h1.52
  text "7628" at 56.24,125.971 h1.52
  text "7,87mil" at 78.078,125.971 h1.52
  text "4.1" at 94.583,125.971 h1.52
  text "2" at 22.212,122.923 h1.52
  text "P2" at 32.624,122.923 h1.52
  text "CF-004" at 56.24,122.923 h1.52
  text "0,71mil" at 78.078,122.923 h1.52
  text "Dielectric 3" at 32.624,119.875 h1.52
  text "PP-006" at 56.24,119.875 h1.52
  text "41,93mil" at 78.078,119.875 h1.52
  text "4.1" at 94.583,119.875 h1.52
  text "3" at 22.212,116.827 h1.52
  text "P3" at 32.624,116.827 h1.52
  text "CF-004" at 56.24,116.827 h1.52
  text "0,71mil" at 78.078,116.827 h1.52
  text "Dielectric 1" at 32.624,113.779 h1.52
  text "7628" at 56.24,113.779 h1.52
  text "7,87mil" at 78.078,113.779 h1.52
  text "4.1" at 94.583,113.779 h1.52
  text "4" at 22.212,110.731 h1.52
  text "L4" at 32.624,110.731 h1.52
  text "1,38mil" at 78.078,110.731 h1.52
  text "Bottom Solder" at 32.624,107.683 h1.52
  text "Solder Resist" at 56.24,107.683 h1.52
  text "1,34mil" at 78.078,107.683 h1.52
  text "3.5" at 94.583,107.683 h1.52
  text "Bottom Overlay" at 32.624,104.635 h1.52
Mechanical 2:
  lines w0.1: -6.1,-19.75 -6.1,102.932
  lines w0.2: -13.532,17.238 -1.856,17.238 ; -11.356,79.738 -1.856,79.738 ; -11.306,59.238 -2.306,59.238 ; -10.806,6.981 -1.856,6.981 ; -10.806,27.488 -1.856,27.488 ; -10.413,48.988 -2.306,48.988 ; -10.056,37.738 -1.856,37.738 ; -9.806,69.488 -1.856,69.488 ; -9.306,11.738 -8.331,11.738 ; -9.306,21.988 -8.331,21.988 ; -9.306,32.238 -8.331,32.238 ; -9.306,42.488 -8.331,42.488 ; -9.306,53.738 -8.331,53.738 ; -9.306,63.988 -8.331,63.988 ; -9.306,74.238 -8.331,74.238 ; -8.606,11.063 -8.606,12.638 ; -8.606,11.738 -8.056,11.738 ; -8.606,21.313 -8.606,22.888 ; -8.606,21.988 -8.056,21.988 ; -8.606,31.563 -8.606,33.138 ; -8.606,32.238 -8.056,32.238 ; -8.606,41.813 -8.606,43.388 ; -8.606,42.488 -8.056,42.488 ; -8.606,53.063 -8.606,54.638 ; -8.606,53.738 -8.056,53.738 ; -8.606,63.313 -8.606,64.888 ; -8.606,63.988 -8.056,63.988 ; -8.606,73.563 -8.606,75.138 ; -8.606,74.238 -8.056,74.238 ; -0.7,0 0.275,0 ; -0.7,88.9 0.275,88.9 ; -0.056,17.238 0.919,17.238 ; -0.056,27.488 0.919,27.488 ; -0.056,37.738 0.919,37.738 ; -0.056,48.988 0.919,48.988 ; -0.056,59.238 0.919,59.238 ; -0.056,69.488 0.919,69.488 ; -0.056,79.738 0.919,79.738 ; -0.049,6.988 0.926,6.988 ; 0,-0.675 0,0.9 ; 0,0 0.55,0 ; 0,88.225 0,89.8 ; 0,88.9 0.55,88.9 ; 0.644,16.563 0.644,18.138 ; 0.644,17.238 1.194,17.238 ; 0.644,26.813 0.644,28.388 ; 0.644,27.488 1.194,27.488 1.194,27.488 ; 0.644,37.063 0.644,38.638 ; 0.644,37.738 1.194,37.738 ; 0.644,48.313 0.644,49.888 ; 0.644,48.988 1.194,48.988 ; 0.644,58.563 0.644,60.138 ; 0.644,59.238 1.194,59.238 1.194,59.238 ; 0.644,68.813 0.644,70.388 ; 0.644,69.488 1.194,69.488 ; 0.644,79.063 0.644,80.638 ; 0.644,79.738 1.194,79.738 ; 0.651,6.313 0.651,7.888 ; 0.651,6.988 1.201,6.988 ; 23.48,17.102 24.455,17.102 ; 24.18,16.427 24.18,18.002 ; 24.18,17.102 24.73,17.102 ; 40.014,23.708 40.989,23.708 ; 40.714,23.708 41.264,23.708 ; 40.714,23.033 40.714,24.608 ; -8.056,11.738 -8.056,11.738 ; -8.056,21.988 -8.056,21.988 ; -8.056,32.238 -8.056,32.238 ; -8.056,42.488 -8.056,42.488 ; -8.056,53.738 -8.056,53.738 ; -8.056,63.988 -8.056,63.988 ; -8.056,74.238 -8.056,74.238 ; 0.55,0 0.55,0 ; 0.55,88.9 0.55,88.9 ; 1.194,17.238 1.194,17.238 ; 1.194,37.738 1.194,37.738 ; 1.194,48.988 1.194,48.988 ; 1.194,69.488 1.194,69.488 ; 1.194,79.738 1.194,79.738 ; 1.201,6.988 1.201,6.988 ; 24.73,17.102 24.73,17.102 ; 41.264,23.708 41.264,23.708
Mechanical 13:
  lines w0.2: -8.606,-19.762 -8.606,92.713

## Text inside footprints (layer, text, board x,y; h text height)
J1: Top Overlay "30" at 36.777,58.633 h1.02 r90; Mechanical 14 "30" at 36.777,58.633 h1.02 r90
J2_U_LVDS_IFCA: Top Overlay "30" at 153.495,15.362 h1.02 r270; Mechanical 14 "30" at 153.495,15.362 h1.02 r270
J2_U_LVDS_IFCB: Top Overlay "30" at 134.725,15.387 h1.02 r270; Mechanical 14 "30" at 134.725,15.387 h1.02 r270
SW1: Top Overlay "4" at 76.077,37.184 h1 r270; Top Overlay "3" at 76.077,39.724 h1 r270; Top Overlay "ON" at 80.522,45.312 h1 r270; Top Overlay "2" at 76.077,42.264 h1 r270; Top Overlay "1" at 76.077,44.55 h1 r270; Mechanical 14 "4" at 76.077,37.184 h1 r270; Mechanical 14 "3" at 76.077,39.724 h1 r270; Mechanical 14 "ON" at 80.522,45.312 h1 r270; Mechanical 14 "2" at 76.077,42.264 h1 r270; Mechanical 14 "1" at 76.077,44.55 h1 r270
SW2_DIO_A: Top Overlay "4" at 80.911,87.192 h1 r90; Top Overlay "3" at 80.911,84.652 h1 r90; Top Overlay "ON" at 76.466,79.064 h1 r90; Top Overlay "2" at 80.911,82.112 h1 r90; Top Overlay "1" at 80.911,79.826 h1 r90; Mechanical 14 "4" at 80.911,87.192 h1 r90; Mechanical 14 "3" at 80.911,84.652 h1 r90; Mechanical 14 "ON" at 76.466,79.064 h1 r90; Mechanical 14 "2" at 80.911,82.112 h1 r90; Mechanical 14 "1" at 80.911,79.826 h1 r90
SW2_DIO_B: Top Overlay "4" at 81.061,73.967 h1 r90; Top Overlay "3" at 81.061,71.427 h1 r90; Top Overlay "ON" at 76.616,65.839 h1 r90; Top Overlay "2" at 81.061,68.887 h1 r90; Top Overlay "1" at 81.061,66.601 h1 r90; Mechanical 14 "4" at 81.061,73.967 h1 r90; Mechanical 14 "3" at 81.061,71.427 h1 r90; Mechanical 14 "ON" at 76.616,65.839 h1 r90; Mechanical 14 "2" at 81.061,68.887 h1 r90; Mechanical 14 "1" at 81.061,66.601 h1 r90